# Altium PCB kunkun.PcbDoc (part 3 of 8) (continued)
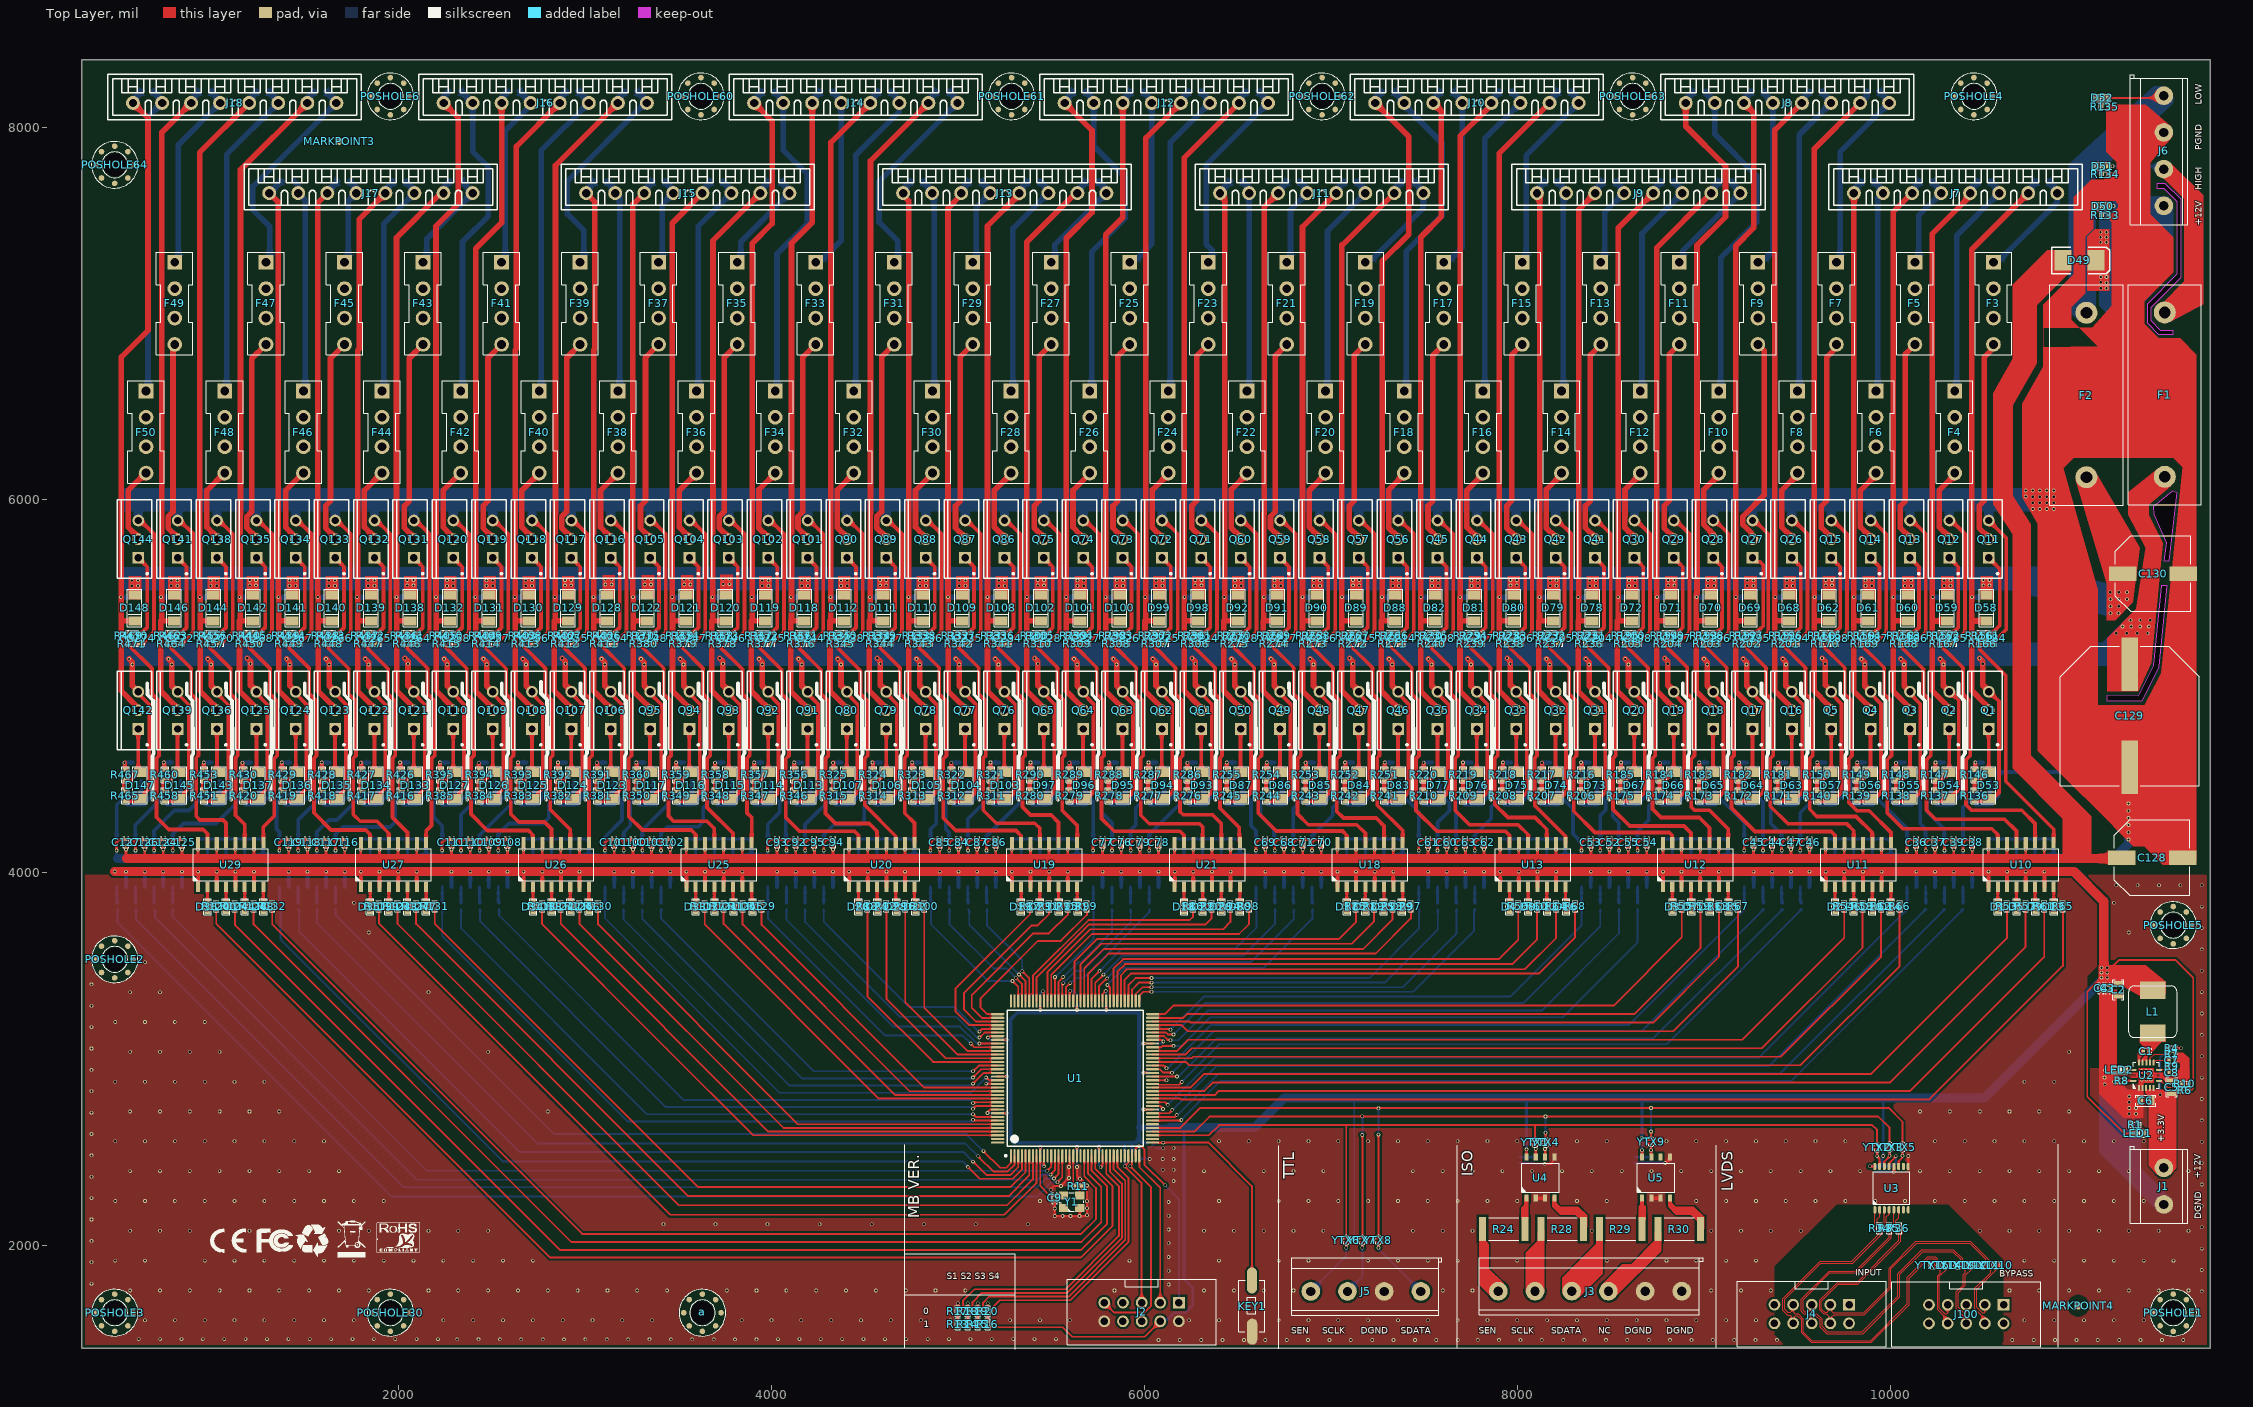
[diagram p0: Top Layer view]
## Nets (pads, with @x,y where several pads share a name; then routed paths per layer and width w, separated by ;. In a path a pad name is that pad's centre, name@x,y a point inside that pad or via, vN(x,y) a via of type N, cw(c..) or ccw(c..) an arc to the next point about the centre after c; other vN are vias at no path point) (continued)
  Top Layer w10: U1.61@6043.84,3025.51 6219.33,3025.51 6252.97,3059.15 9312.13,3059.15 9852.51,3599.54 R58.1@9852.51,3804.1
F8+: R50.1 U1.58 | length 3525.6
  Top Layer w10: U1.58@6043.84,2966.46 6104.05,2966.46 v1(6118.22,2952.28)
  Bottom Layer w10: v1@6127.63,2953.95 6358.45,3184.77 8599.8,3184.77 R50.1@9220.32,3805.3
F8-: R54.1 U1.62 | length 4113.7
  Top Layer w10: U1.62@6043.84,3045.2 6175.13,3045.2 6234.86,3104.92 9207.38,3104.92 9753.51,3651.05 R54.1@9753.51,3804.1
F9+: R39.1 U1.63 | length 3011
  Top Layer w10: U1.63@6043.84,3064.88 6090.2,3064.88 6097.17,3071.85 v1@6155.07,3071.85
  Bottom Layer w10: v1(6156.05,3071.85) 6199.83,3071.85 6353.45,3225.47 8242.83,3225.47 8645.26,3627.9 R39.1@8645.26,3805.3
F9-: R67.1 U1.69 | length 3603.3
  Top Layer w10: U1.69@6043.84,3182.99 6200.29,3182.99 6232.6,3150.68 8836.23,3150.68 9184.14,3498.59 R67.1@9184.14,3804.1
F10+: R43.1 U1.66 | length 2878
  Top Layer w10: U1.66@6043.84,3123.94 6105.27,3123.94 6124.92,3104.28 6137.95,3104.28 v1@6139.76,3102.47
  Bottom Layer w10: v1(6139.76,3102.3) 6181.73,3102.3 6341.57,3262.14 8132.76,3262.14 8545.26,3674.64 R43.1@8545.26,3805.3
F10-: R63.1 U1.70 | length 3441.2
  Top Layer w10: U1.70@6043.84,3202.68 6242.15,3202.68 6248.38,3196.44 8728.41,3196.44 9081.89,3549.93 R63.1@9081.89,3804.1
F11+: R47.1 U1.67 | length 2738.4
  Top Layer w10: U1.67@6043.84,3143.62 6116.26,3143.62 6127.14,3132.74 v1(6156.05,3132.74)
  Bottom Layer w10: v1(6156.05,3132.74) 6325.34,3302.04 8033.96,3302.04 8445.26,3713.33 R47.1@8445.26,3805.3
F11-: R59.1 U1.71 | length 3300.6
  Top Layer w10: U1.71@6043.84,3222.36 6208.8,3222.36 6228.65,3242.2 8627.56,3242.2 8981.89,3596.54 R59.1@8981.89,3804.1
F12+: R51.1 U1.68 | length 2621.8
  Top Layer w10: U1.68@6043.84,3163.31 6134.65,3163.31 v1(6139.76,3158.19)
  Bottom Layer w10: v1(6139.76,3158.19) 6317.53,3335.96 7961.66,3335.96 8345.26,3719.56 R51.1@8345.26,3805.3
F12-: R55.1 U1.72 | length 3159.1
  Top Layer w10: U1.72@6043.84,3242.05 6109.04,3242.05 6154.96,3287.97 8516.43,3287.97 8881.89,3653.44 R55.1@8881.89,3804.1
F13+: R40.1 U1.73 | length 2086.9
  Top Layer w10: U1.73@5972.98,3312.91 5972.98,3341.95 5977.47,3346.44 5978.48,3346.44 5994,3361.96 v1(6038.42,3361.96)
  Bottom Layer w10: v1(6038.42,3361.96) 7441.87,3361.96 7768.44,3688.53 7768.44,3800.3 R40.1@7773.44,3805.3
F13-: R68.1 U1.77 | length 2773.8
  Top Layer w10: U1.77@5894.24,3312.91 5894.24,3426.19 5927.73,3459.68 8116.12,3459.68 8310.12,3653.68 R68.1@8310.12,3804.1
F14+: R44.1 U1.74 | length 2023.3
  Top Layer w10: U1.74@5953.29,3312.91 5953.29,3350.13 5989.81,3386.64 v1(6038.42,3386.64)
  Bottom Layer w10: v1(6038.42,3386.64) 7386.9,3386.64 7673.44,3673.19 R44.1@7673.44,3805.3
F14-: R64.1 U1.78 | length 2707.6
  Top Layer w10: U1.78@5874.55,3312.91 5874.55,3450.61 5906.47,3482.53 8040.07,3482.53 8208.12,3650.58 R64.1@8208.12,3804.1
F15+: R48.1 U1.75 | length 1943.6
  Top Layer w10: U1.75@5933.61,3312.91 5933.61,3373.92 5971.02,3411.33 v1(6038.42,3411.33)
  Bottom Layer w10: v1(6038.42,3411.33) 7288.79,3411.33 7573.44,3695.99 R48.1@7573.44,3805.3
F15-: R60.1 U1.79 | length 2640.2
  Top Layer w10: U1.79@5854.87,3312.91 5854.87,3469.14 5896.4,3510.67 7972.56,3510.67 8106.79,3644.9 R60.1@8106.79,3804.1
F16+: R52.1 U1.76 | length 1873.6
  Top Layer w10: U1.76@5913.92,3312.91 5913.92,3397.41 5952.53,3436.01 v1(6038.42,3436.01)
  Bottom Layer w10: v1(6038.42,3436.01) 7207.59,3436.01 7473.44,3701.87 R52.1@7473.44,3805.3
F16-: R56.1 U1.80 | length 2570.6
  Top Layer w10: U1.80@5835.18,3312.91 5835.18,3487.04 5885.52,3537.38 7900.99,3537.38 8005.12,3641.51 R56.1@8005.12,3804.1
F17+: R69.1 U1.81 | length 1390.4
  Top Layer w10: v1(5801.48,3398.59) 5815.5,3384.57 U1.81@5815.5,3312.91
  Bottom Layer w10: v1(5801.48,3398.59) 5892.39,3489.49 6637.82,3489.49 6901.29,3752.97 R69.1@6901.29,3805.3
F17-: R97.1 U1.87 | length 2048.1
  Top Layer w10: U1.87@5697.39,3312.91 5697.39,3456.83 5807.97,3567.41 7241.01,3567.41 7429.43,3755.83 R97.1@7429.43,3804.1
F18+: R73.1 U1.84 | length 1324.3
  Top Layer w10: U1.84@5756.44,3312.91 5756.44,3391.05 v1@5798.98,3433.59
  Bottom Layer w10: v1(5800.74,3434.01) 5887.96,3521.24 6571.32,3521.24 6801.29,3751.21 R73.1@6801.29,3805.3
F18-: R93.1 U1.88 | length 1990.8
  Top Layer w10: U1.88@5677.7,3312.91 5677.7,3487.09 5782.18,3591.57 7172.89,3591.57 7331.43,3750.1 R93.1@7331.43,3804.1
F19+: R77.1 U1.85 | length 1272.5
  Top Layer w10: U1.85@5736.76,3312.91 5736.76,3409.47 v1@5781.51,3454.22
  Bottom Layer w10: v1(5780.38,3454.01) 5882.38,3556.01 6530.99,3556.01 6701.29,3726.31 R77.1@6701.29,3805.3
F19-: R89.1 U1.89 | length 1931.2
  Top Layer w10: U1.89@5658.02,3312.91 5658.02,3509.81 5767.8,3619.59 7112.76,3619.59 7232.43,3739.26 R89.1@7232.43,3804.1
F20+: R81.1 U1.86 | length 1215.6
  Top Layer w10: U1.86@5717.07,3312.91 5717.07,3431.05 v1(5760.03,3474.01)
  Bottom Layer w10: v1(5760.03,3474.01) 5881.14,3595.11 6490.58,3595.11 6601.29,3705.83 R81.1@6601.29,3805.3
F20-: R85.1 U1.91 | length 1879.7
  Top Layer w10: U1.91@5618.65,3312.91 5618.99,3313.26 5618.99,3348.69 5625.74,3355.44 5625.74,3524.82 5746.63,3645.71 7045.06,3645.71 7134.43,3735.08 R85.1@7134.43,3804.1
F21+: R70.1 U1.93 | length 702.7
  Top Layer w10: U1.93@5579.28,3312.91 5579.28,3385.3 v1(5602.53,3408.55)
  Bottom Layer w10: v1(5602.53,3408.55) 5631.03,3437.04 5673.82,3437.04 6026.59,3789.81 R70.1@6026.59,3805.3
F21-: R98.1 U1.97 | length 1392.9
  Top Layer w10: U1.97@5500.54,3312.91 5500.54,3454.26 5718.16,3671.87 6507.48,3671.87 6561.08,3725.47 R98.1@6561.08,3804.1
F22+: R74.1 U1.94 | length 672.4
  Top Layer w10: U1.94@5559.59,3312.91 5559.59,3403.46 v1(5564.68,3408.55)
  Bottom Layer w10: v1(5564.68,3408.55) 5629.21,3473.08 5664.94,3473.08 5926.59,3734.73 R74.1@5926.59,3805.3 R74.1@5921.59,3800.3
F22-: R94.1 U1.98 | length 1314.3
  Top Layer w10: U1.98@5480.85,3312.91 5480.85,3468.44 5709.97,3697.56 6421.95,3697.56 6461.08,3736.69 R94.1@6461.08,3804.1
F23+: R78.1 U1.95 | length 621.2
  Top Layer w10: U1.95@5539.91,3312.91 5539.91,3416.12 v1(5564.68,3440.89)
  Bottom Layer w10: v1(5564.68,3440.89) 5644.16,3520.37 5661.26,3520.37 5826.59,3685.69 5826.59,3702.8 R78.1@5826.59,3805.3
F23-: R90.1 U1.101 | length 1245.6
  Top Layer w10: U1.101@5421.8,3312.91 5421.8,3440.71 5704.33,3723.25 6328.28,3723.25 6360.82,3755.78 R90.1@6360.82,3804.1
F24+: R82.1 U1.96 | length 578.3
  Top Layer w10: U1.96@5520.22,3312.91 5520.22,3435.1 v1@5520.99,3435.86
  Bottom Layer w10: v1@5520.99,3435.86 5520.99,3439.81 5727.56,3646.39 R82.1@5727.56,3805.3
  other v1: 5520.99,3440.89
F24-: R86.1 U1.102 | length 1164.6
  Top Layer w10: U1.102@5402.11,3312.91 5402.11,3448.38 5700.73,3747 6242.86,3747 6261.08,3765.23 R86.1@6261.08,3804.1
F25+: R71.1 U1.103 | length 586.4
  Top Layer w10: v1(5344.82,3472.52) 5382.43,3434.92 U1.103@5382.43,3312.91
  Bottom Layer w10: R71.1@5155.57,3805.3 5155.57,3720.01 5344.82,3530.75 v1(5344.82,3472.52)
F25-: R99.1 U1.109 | length 941.1
  Top Layer w10: U1.109@5213.14,3242.05 5157.07,3242.05 5121.55,3277.57 5121.55,3327.06 5429.34,3634.85 5552.58,3634.85 5691.52,3773.79 R99.1@5691.52,3804.1
F26+: R75.1 U1.104 | length 619.6
  Top Layer w10: v1(5327.37,3455.07) 5362.74,3419.69 U1.104@5362.74,3312.91
  Bottom Layer w10: R75.1@5055.57,3805.3 5060.57,3800.3 5060.57,3721.87 v1(5327.37,3455.07)
F26-: R95.1 U1.110 | length 951.4
  Top Layer w10: U1.110@5213.14,3222.36 5128.63,3222.36 5073.83,3277.16 5073.83,3344.05 5404.69,3674.91 5488.04,3674.91 5589.52,3776.39 R95.1@5589.52,3804.1
F27+: R79.1 U1.105 | length 693.5
  Top Layer w10: v1(5309.91,3437.61) 5343.06,3404.47 U1.105@5343.06,3312.91
  Bottom Layer w10: R79.1@4955.57,3805.3 4955.57,3722.71 5190.67,3487.61 5259.91,3487.61 v1(5309.91,3437.61)
F27-: R91.1 U1.111 | length 953.2
  Top Layer w10: U1.111@5213.14,3202.68 5096.56,3202.68 5031.69,3267.55 5031.69,3355.06 5394.82,3718.19 5427.49,3718.19 5488.52,3779.22 R91.1@5488.52,3804.1
F28+: R83.1 U1.106 | length 763.8
  Top Layer w10: v1(5292.46,3420.16) 5323.37,3389.24 U1.106@5323.37,3312.91
  Bottom Layer w10: R83.1@4855.57,3805.3 4855.57,3724.57 5159.98,3420.16 v1(5292.46,3420.16)
F28-: R87.1 U1.112 | length 969.7
  Top Layer w10: U1.112@5213.14,3182.99 5060.87,3182.99 4986.73,3257.13 4986.73,3378.83 5386.52,3778.62 R87.1@5386.52,3804.1
F29+: R72.1 U1.113 | length 1250.4
  Top Layer w10: v1(5115,3148.24) 5130.07,3163.31 U1.113@5213.14,3163.31
  Bottom Layer w10: R72.1@4280.44,3805.3 4280.44,3738.28 4737.38,3281.34 4978.95,3281.34 5112.06,3148.24 v1(5115,3148.24)
F29-: R100.1 U1.119 | length 1017.1
  Top Layer w10: R100.1@4819.33,3804.1 4819.33,3276.62 5050.75,3045.2 U1.119@5213.14,3045.2
F30+: R76.1 U1.114 | length 1364.2
  Top Layer w10: v1@5119.17,3119.64 5143.15,3143.62 U1.114@5213.14,3143.62
  Bottom Layer w10: R76.1@4180.44,3805.3 4180.44,3736.23 4688.26,3228.41 4991.01,3228.41 5102.85,3116.57 v1(5115,3116.57)
F30-: R96.1 U1.120 | length 1109.8
  Top Layer w10: R96.1@4717.66,3804.1 4717.66,3305.88 4998.03,3025.51 U1.120@5213.14,3025.51
F31+: R80.1 U1.117 | length 1459.4
  Top Layer w10: v1@5119.63,3084.89 5119.96,3084.57 U1.117@5213.14,3084.57
  Bottom Layer w10: R80.1@4080.44,3805.3 4080.44,3749.22 4654.19,3175.47 5010.84,3175.47 5101.43,3084.89 v1(5115,3084.89)
F31-: R92.1 U1.121 | length 1209.3
  Top Layer w10: R92.1@4616,3804.1 4616,3323.58 4933.76,3005.83 U1.121@5213.14,3005.83
F32+: R84.1 U1.118 | length 1568.1
  Top Layer w10: v1(5068.21,3084.89) 5088.22,3064.88 U1.118@5213.14,3064.88
  Bottom Layer w10: R84.1@3980.44,3805.3 3980.44,3756.24 4609.24,3127.44 5025.66,3127.44 v1(5068.21,3084.89)
F32-: R88.1 U1.122 | length 1310.5
  Top Layer w10: R88.1@4514.33,3804.1 4514.33,3338.21 4866.4,2986.14 U1.122@5213.14,2986.14
F33+: R101.1 U1.123 | length 2209.7
  Top Layer w10: v1(5081.2,2936.06) 5111.6,2966.46 U1.123@5213.14,2966.46
  Bottom Layer w10: R101.1@3406.98,3800.34 3406.98,3756.05 4226.97,2936.06 v1(5081.2,2936.06) ; R101.1@3406.98,3805.3 R101.1@3411.94,3800.34
F33-: R129.1 U1.129 | length 1711.1
  Top Layer w10: R129.1@3946.67,3804.1 3946.67,3720.84 4819.17,2848.34 U1.129@5213.14,2848.34
F34+: R105.1 U1.124 | length 2333
  Top Layer w10: v1@5081.2,2903.23 5081.6,2903.23 5125.14,2946.77 U1.124@5213.14,2946.77
  Bottom Layer w10: R105.1@3306.98,3805.3 3306.98,3752.8 4162.21,2897.58 5076.23,2897.58 v1(5081.2,2902.55)
F34-: R125.1 U1.130 | length 1819.2
  Top Layer w10: R125.1@3845.01,3804.1 3845.01,3723.79 4740.14,2828.66 U1.130@5213.14,2828.66
F35+: R109.1 U1.125 | length 2460.1
  Top Layer w10: v1@5080.9,2869.04 5080.9,2870.47 5137.52,2927.09 U1.125@5213.14,2927.09
  Bottom Layer w10: R109.1@3206.98,3805.3 3206.98,3749.71 4097.6,2859.09 5070.8,2859.09 v1(5081.2,2869.49)
F35-: R121.1 U1.131 | length 1927.5
  Top Layer w10: R121.1@3743.34,3804.1 3743.34,3726.45 4660.82,2808.97 U1.131@5213.14,2808.97
F36+: R113.1 U1.127 | length 2583
  Top Layer w10: v1@5151.08,2903.23 5166.59,2887.71 U1.127@5213.14,2887.71
  Bottom Layer w10: R113.1@3106.98,3805.3 3106.98,3756.53 4042.89,2820.61 5069.14,2820.61 v1(5151.08,2902.55)
F36-: R117.1 U1.132 | length 2039.2
  Top Layer w10: R117.1@3641.67,3804.1 3641.67,3723.29 4575.67,2789.29 U1.132@5213.14,2789.29
F37+: R102.1 U1.133 | length 3127
  Top Layer w10: v1(5081.2,2764.51) 5086.29,2769.6 U1.133@5213.14,2769.6
  Bottom Layer w10: R102.1@2538.9,3805.3 2538.9,3771.13 3527.9,2782.13 5064.7,2782.13 ; 5064.7,2781.01 v1(5081.2,2764.51)
F37-: R130.1 U1.139 | length 2668.1
  Top Layer w10: R130.1@3069.59,3804.1 3069.59,3723.67 4141.77,2651.49 U1.139@5213.14,2651.49
F38+: R106.1 U1.134 | length 3260
  Top Layer w10: v1(5081.2,2735.06) 5096.06,2749.92 U1.134@5213.14,2749.92
  Bottom Layer w10: R106.1@2437.23,3805.3 2437.23,3740.15 3433.74,2743.64 v1@5081.2,2743.64
F38-: R126.1 U1.140 | length 2774.5
  Top Layer w10: R126.1@2969.59,3804.1 2969.59,3726.63 3030.51,3665.71 4064.41,2631.81 U1.140@5213.14,2631.81
F39+: R110.1 U1.137 | length 3400.2
  Top Layer w10: v1(5081.2,2705.62) 5095.95,2690.86 U1.137@5213.14,2690.86
  Bottom Layer w10: R110.1@2335.57,3805.3 2335.57,3701.39 3331.8,2705.16 v1@5081.2,2705.16
F39-: R122.1 U1.141 | length 2883
  Top Layer w10: R122.1@2869.59,3804.1 2869.59,3726.02 3983.49,2612.12 U1.141@5213.14,2612.12
F40+: R114.1 U1.138 | length 3542.5
  Top Layer w10: v1(5081.2,2676.17) 5086.19,2671.18 U1.138@5213.14,2671.18
  Bottom Layer w10: R114.1@2233.9,3805.3 2233.9,3659.08 3226.3,2666.68 5069.7,2666.68 5079.19,2676.17 v1(5081.2,2676.17)
F40-: R118.1 U1.142 | length 2992.2
  Top Layer w10: R118.1@2769.59,3804.1 2769.59,3724.23 3436.08,3057.74 3901.38,2592.44 U1.142@5213.14,2592.44
F41+: R103.1 U1.1 | length 4264.8
  Top Layer w10: v1(5136.7,2507.59) 5226.31,2417.98 5258.2,2417.98 5284,2443.79 U1.1@5284,2482.2
  Bottom Layer w10: R103.1@1662.29,3805.3 1662.29,3772.28 2835.47,2599.1 5045.19,2599.1 v1(5136.7,2507.59)
F41-: R131.1 U1.5 | length 3979.8
  Top Layer w10: R131.1@2194.03,3804.1 2194.03,3727.11 3605.64,2315.5 5283.27,2315.5 5362.4,2394.62 5362.4,2481.86 U1.5@5362.74,2482.2 ; U1.5@5363.09,2483.39 U1.5@5363.09,2512.61
F42+: R107.1 U1.2 | length 4424.8
  Top Layer w10: v1@5112.6,2475.03 5189.34,2398.29 5267.03,2398.29 5303.69,2434.95 U1.2@5303.69,2482.2
  Bottom Layer w10: R107.1@1562.29,3805.3 1562.29,3730.72 2745.2,2547.8 5040.54,2547.8 v1(5108.93,2479.41)
F42-: R127.1 U1.6 | length 4121.7
  Top Layer w10: R127.1@2094.03,3804.1 2094.03,3726.4 3554.13,2266.29 5271.27,2266.29 5382.43,2377.45 U1.6@5382.43,2482.2
F43+: R111.1 U1.3 | length 4598.6
  Top Layer w10: v1(5081.16,2451.22) 5153.78,2378.61 5279.83,2378.61 5323.37,2422.16 U1.3@5323.37,2482.2
  Bottom Layer w10: R111.1@1462.29,3805.3 1467.29,3800.3 1467.29,3683.46 2647.36,2503.38 5029,2503.38 v1(5081.16,2451.22)
F43-: R123.1 U1.7 | length 4294.8
  Top Layer w10: R123.1@1994.03,3804.1 1994.03,3726.3 3503.33,2217 5263.05,2217 5402.11,2356.06 U1.7@5402.11,2482.2
F44+: R115.1 U1.4 | length 4767.3
  Top Layer w10: v1(5053.4,2423.04) 5117.51,2358.92 5294.11,2358.92 5343.06,2407.87 U1.4@5343.06,2482.2
  Bottom Layer w10: R115.1@1362.29,3805.3 1367.29,3800.3 1367.29,3641.89 2557.31,2451.86 5024.57,2451.86 v1(5053.4,2423.04)
F44-: R119.1 U1.8 | length 4465.3
  Top Layer w10: R119.1@1894.03,3804.1 1894.03,3728.93 3457.03,2165.93 5248.88,2165.93 5421.8,2338.85 U1.8@5421.8,2482.2
F45+: R104.1 U1.12 | length 5386.1
  Top Layer w10: v1(5478.63,2401.84) 5500.54,2423.74 U1.12@5500.54,2482.2
  Bottom Layer w10: R104.1@787.5,3805.3 787.5,3763.93 2149.59,2401.84 v1(5478.63,2401.84)
F45-: R132.1 U1.21 | length 5584.4
  Top Layer w10: R132.1@1322.07,3804.1 1322.07,3725.16 2984.06,2063.17 5661.13,2063.17 5740.53,2142.57 5740.53,2309.32 5677.7,2372.15 U1.21@5677.7,2482.2
F46+: R108.1 U1.13 | length 5555.7
  Top Layer w10: v1(5497.07,2381.38) 5520.22,2404.53 U1.13@5520.22,2482.2
  Bottom Layer w10: R108.1@689.16,3805.3 694.16,3800.3 694.16,3758.05 2098.33,2353.88 5426.93,2353.88 5454.43,2381.38 v1(5497.07,2381.38)
F46-: R128.1 U1.22 | length 5761.8
  Top Layer w10: R128.1@1222.07,3804.1 1222.07,3723.86 2925.9,2020.02 5661.99,2020.02 5768.68,2126.71 5768.68,2317.38 5697.39,2388.67 U1.22@5697.39,2482.2
F47+: R112.1 U1.14 | length 5725.8
  Top Layer w10: v1(5515.52,2360.93) 5539.91,2385.32 U1.14@5539.91,2482.2
  Bottom Layer w10: R112.1@590.83,3805.3 590.83,3749.89 2026.86,2313.85 5424.1,2313.85 5471.18,2360.93 v1(5515.52,2360.93)
F47-: a.@3629.46,1640.57 R124.1 U1.23 | length 5940.2
  Top Layer w10: R124.1@1122.07,3804.1 1122.07,3720.95 2866.15,1976.87 5658.65,1976.87 5799.83,2118.06 5799.83,2319.31 5717.07,2402.07 U1.23@5717.07,2482.2
F48+: R116.1 U1.15 | length 5902.8
  Top Layer w10: v1@5535.68,2343.18 5559.59,2367.09 U1.15@5559.59,2482.2
  Bottom Layer w10: R116.1@492.5,3805.3 492.5,3733.31 1961.99,2263.81 5424.59,2263.81 5501.27,2340.48 v1(5533.96,2340.48)
F48-: R120.1 U1.24 | length 6110.8
  Top Layer w10: R120.1@1022.07,3804.1 1022.07,3726.83 2812.9,1936 5657.62,1936 5829.95,2108.32 5829.95,2319.74 5736.76,2412.93 U1.24@5736.76,2482.2
NetC1_1: C1.1 U2.13
NetC1_2: C1.2 L1.1 U2.11 U2.12
NetC7_2: C7.2 U2.9 | length 86.7
  Top Layer w5: U2.9@11413.33,2982.05 11425.36,2994.08 C7.2@11495.08,2994.08
NetC8_2: C8.2 R9.1 | length 45.6
  Top Layer w5: C8.2@11495.08,2928.9 11526.58,2960.4 R9.1@11526.58,2961.49
NetC184_2: C184.2 Q11.1 R156.2 R161.2 | length 512
  Top Layer w10: C184.2@10546.67,5288.41 C184.2@10548.64,5286.45
  Top Layer w20: R156.2@10481.76,5288.41 10512.89,5288.41 C184.2@10546.67,5288.41 ; Q11.1@10528.84,5689.64 10588.34,5630.14 10588.34,5326.15 C184.2@10548.64,5286.45
NetC185_2: C185.2 Q12.1 R157.2 R162.2 | length 504.6
  Top Layer w20: R157.2@10270.51,5288.41 10301.61,5288.41 10335.39,5288.41 C185.2@10337.36,5286.45 10341.3,5286.45 10343.11,5288.26 10343.11,5292.19 10365.5,5314.58 10365.5,5641.81 Q12.1@10317.67,5689.64
NetC186_2: C186.2 Q13.1 R158.2 R163.2 | length 491.4
  Top Layer w20: R158.2@10059.02,5288.41 C186.2@10123.9,5288.41 ; Q13.1@10106.5,5689.64 10154.33,5641.81 10154.33,5314.58 C186.2@10131.94,5292.19
NetC187_2: C187.2 Q14.1 R159.2 R164.2 | length 491.4
  Top Layer w20: R159.2@9847.68,5288.41 C187.2@9912.57,5288.41 ; Q14.1@9895.33,5689.64 9943.16,5641.81 9943.16,5314.58 C187.2@9920.77,5292.19
NetC188_2: C188.2 Q15.1 R160.2 R165.2 | length 491.4
  Top Layer w20: R160.2@9636.35,5288.41 C188.2@9701.24,5288.41 ; Q15.1@9684.16,5689.64 9731.99,5641.81 9731.99,5314.58 C188.2@9709.6,5292.19
NetC194_2: C194.2 Q26.1 R191.2 R196.2 | length 491.4
  Top Layer w20: R191.2@9425.02,5288.41 C194.2@9489.91,5288.41 ; Q26.1@9472.99,5689.64 9520.82,5641.81 9520.82,5314.58 C194.2@9498.43,5292.19
NetC195_2: C195.2 Q27.1 R192.2 R197.2 | length 514.4
  Top Layer w20: R192.2@9213.69,5288.41 9245.2,5288.41 C195.2@9278.58,5288.41 ; Q27.1@9261.82,5689.64 9283.32,5668.14 9301.76,5668.14 9319.33,5650.57 9319.33,5324.27 9292.92,5297.85 9292.92,5294.45 C195.2@9286.73,5288.26
NetC196_2: C196.2 Q28.1 R193.2 R198.2 | length 491.4
  Top Layer w20: R193.2@9002.36,5288.41 C196.2@9067.25,5288.41 ; Q28.1@9050.65,5689.64 9098.48,5641.81 9098.48,5314.58 C196.2@9076.09,5292.19
NetC197_2: C197.2 Q29.1 R194.2 R199.2 | length 491.4
  Top Layer w20: R194.2@8791.03,5288.41 C197.2@8855.92,5288.41 ; Q29.1@8839.48,5689.64 8887.31,5641.81 8887.31,5314.58 C197.2@8864.92,5292.19
NetC198_2: C198.2 Q30.1 R195.2 R200.2 | length 491.4
  Top Layer w20: R195.2@8579.7,5288.41 C198.2@8644.59,5288.41 ; Q30.1@8628.31,5689.64 8676.14,5641.81 8676.14,5314.58 C198.2@8653.75,5292.19
NetC204_2: C204.2 Q41.1 R226.2 R231.2 | length 491.4
  Top Layer w20: R226.2@8368.37,5288.41 C204.2@8433.26,5288.41 ; Q41.1@8417.14,5689.64 8464.97,5641.81 8464.97,5314.58 C204.2@8442.58,5292.19
NetC205_2: C205.2 Q42.1 R227.2 R232.2 | length 491.4
  Top Layer w20: R227.2@8157.04,5288.41 C205.2@8221.92,5288.41 ; Q42.1@8205.97,5689.64 8253.8,5641.81 8253.8,5314.58 C205.2@8231.41,5292.19
NetC206_2: C206.2 Q43.1 R228.2 R233.2 | length 491.4
  Top Layer w20: R228.2@7945.71,5288.41 C206.2@8010.59,5288.41 ; Q43.1@7994.8,5689.64 8042.63,5641.81 8042.63,5314.58 C206.2@8020.24,5292.19
NetC207_2: C207.2 Q44.1 R229.2 R234.2 | length 491.4
  Top Layer w20: R229.2@7734.37,5288.41 C207.2@7799.26,5288.41 ; Q44.1@7783.63,5689.64 7831.46,5641.81 7831.46,5314.58 C207.2@7809.07,5292.19
NetC208_2: C208.2 Q45.1 R230.2 R235.2 | length 491.4
  Top Layer w20: R230.2@7523.04,5288.41 C208.2@7587.93,5288.41 ; Q45.1@7572.46,5689.64 7620.29,5641.81 7620.29,5314.58 C208.2@7597.9,5292.19
NetC214_2: C214.2 Q56.1 R261.2 R266.2 | length 491.4
  Top Layer w20: R261.2@7311.71,5288.41 C214.2@7376.6,5288.41 ; Q56.1@7361.29,5689.64 7409.12,5641.81 7409.12,5314.58 C214.2@7386.73,5292.19
NetC215_2: C215.2 Q57.1 R262.2 R267.2 | length 491.4
  Top Layer w20: R262.2@7100.38,5288.41 C215.2@7165.27,5288.41 ; Q57.1@7150.12,5689.64 7197.95,5641.81 7197.95,5314.58 C215.2@7175.56,5292.19
NetC216_2: C216.2 Q58.1 R263.2 R268.2 | length 491.4
  Top Layer w20: R263.2@6889.05,5288.41 C216.2@6953.94,5288.41 ; Q58.1@6938.95,5689.64 6986.78,5641.81 6986.78,5314.58 C216.2@6964.39,5292.19
NetC217_2: C217.2 Q59.1 R264.2 R269.2 | length 491.4
  Top Layer w20: R264.2@6677.72,5288.41 C217.2@6742.61,5288.41 ; Q59.1@6727.78,5689.64 6775.6,5641.81 6775.6,5314.58 C217.2@6753.22,5292.19
NetC218_2: C218.2 Q60.1 R265.2 R270.2 | length 491.4
  Top Layer w20: R265.2@6466.39,5288.41 C218.2@6531.28,5288.41 ; Q60.1@6516.61,5689.64 6564.43,5641.81 6564.43,5314.58 C218.2@6542.05,5292.19
NetC224_2: C224.2 Q71.1 R296.2 R301.2 | length 491.4
  Top Layer w20: R296.2@6255.06,5288.41 C224.2@6319.95,5288.41 ; Q71.1@6305.44,5689.64 6353.26,5641.81 6353.26,5314.58 C224.2@6330.88,5292.19
NetC225_2: C225.2 Q72.1 R297.2 R302.2 | length 491.4
  Top Layer w20: R297.2@6043.73,5288.41 C225.2@6108.61,5288.41 ; Q72.1@6094.27,5689.64 6142.09,5641.81 6142.09,5314.58 C225.2@6119.71,5292.19
NetC226_2: C226.2 Q73.1 R298.2 R303.2 | length 491.4
  Top Layer w20: R298.2@5832.4,5288.41 C226.2@5897.28,5288.41 ; Q73.1@5883.1,5689.64 5930.92,5641.81 5930.92,5314.58 C226.2@5908.54,5292.19
NetC227_2: C227.2 Q74.1 R299.2 R304.2 | length 491.4
  Top Layer w20: R299.2@5621.06,5288.41 C227.2@5685.95,5288.41 ; Q74.1@5671.93,5689.64 5719.75,5641.81 5719.75,5314.58 C227.2@5697.37,5292.19
NetC228_2: C228.2 Q75.1 R300.2 R305.2 | length 491.4
  Top Layer w20: R300.2@5409.73,5288.41 C228.2@5474.62,5288.41 ; Q75.1@5460.76,5689.64 5508.58,5641.81 5508.58,5314.58 C228.2@5486.2,5292.19
NetC234_2: C234.2 Q86.1 R331.2 R336.2 | length 491.4
  Top Layer w20: R331.2@5198.4,5288.41 C234.2@5263.29,5288.41 ; Q86.1@5249.59,5689.64 5297.41,5641.81 5297.41,5314.58 C234.2@5275.03,5292.19
NetC235_2: C235.2 Q87.1 R332.2 R337.2 | length 491.4
  Top Layer w20: R332.2@4987.07,5288.41 C235.2@5051.96,5288.41 ; Q87.1@5038.42,5689.64 5086.24,5641.81 5086.24,5314.58 C235.2@5063.86,5292.19
NetC236_2: C236.2 Q88.1 R333.2 R338.2 | length 491.4
  Top Layer w20: R333.2@4775.74,5288.41 C236.2@4840.63,5288.41 ; Q88.1@4827.25,5689.64 4875.07,5641.81 4875.07,5314.58 C236.2@4852.69,5292.19
NetC237_2: C237.2 Q89.1 R334.2 R339.2 | length 491.4
  Top Layer w20: R334.2@4564.41,5288.41 C237.2@4629.3,5288.41 ; Q89.1@4616.08,5689.64 4663.9,5641.81 4663.9,5314.58 C237.2@4641.52,5292.19
NetC238_2: C238.2 Q90.1 R335.2 R340.2 | length 491.4
  Top Layer w20: R335.2@4353.08,5288.41 C238.2@4417.97,5288.41 ; Q90.1@4404.91,5689.64 4452.73,5641.81 4452.73,5314.58 C238.2@4430.35,5292.19
NetC244_2: C244.2 Q101.1 R366.2 R371.2 | length 491.4
  Top Layer w20: R366.2@4141.75,5288.41 C244.2@4206.64,5288.41 ; Q101.1@4193.74,5689.64 4241.56,5641.81 4241.56,5314.58 C244.2@4219.18,5292.19
NetC245_2: C245.2 Q102.1 R367.2 R372.2 | length 491.4
  Top Layer w20: R367.2@3930.42,5288.41 C245.2@3995.3,5288.41 ; Q102.1@3982.57,5689.64 4030.39,5641.81 4030.39,5314.58 C245.2@4008.01,5292.19
NetC246_2: C246.2 Q103.1 R368.2 R373.2 | length 491.4
  Top Layer w20: R368.2@3719.09,5288.41 C246.2@3783.97,5288.41 ; Q103.1@3771.4,5689.64 3819.22,5641.81 3819.22,5314.58 C246.2@3796.84,5292.19
NetC247_2: C247.2 Q104.1 R369.2 R374.2 | length 491.4
  Top Layer w20: R369.2@3507.75,5288.41 C247.2@3572.64,5288.41 ; Q104.1@3560.23,5689.64 3608.05,5641.81 3608.05,5314.58 C247.2@3585.67,5292.19
NetC248_2: C248.2 Q105.1 R370.2 R375.2 | length 491.4
  Top Layer w20: R370.2@3296.42,5288.41 C248.2@3361.31,5288.41 ; Q105.1@3349.05,5689.64 3396.88,5641.81 3396.88,5314.58 C248.2@3374.49,5292.19
NetC254_2: C254.2 Q116.1 R401.2 R406.2 | length 491.4
  Top Layer w20: R401.2@3085.09,5288.41 C254.2@3149.98,5288.41 ; Q116.1@3137.88,5689.64 3185.71,5641.81 3185.71,5314.58 C254.2@3163.32,5292.19
NetC255_2: C255.2 Q117.1 R402.2 R407.2 | length 491.4
  Top Layer w20: R402.2@2873.76,5288.41 C255.2@2938.65,5288.41 ; Q117.1@2926.71,5689.64 2974.54,5641.81 2974.54,5314.58 C255.2@2952.15,5292.19
NetC256_2: C256.2 Q118.1 R403.2 R408.2 | length 491.4
  Top Layer w20: R403.2@2662.43,5288.41 C256.2@2727.32,5288.41 ; Q118.1@2715.54,5689.64 2763.37,5641.81 2763.37,5314.58 C256.2@2740.98,5292.19
NetC257_2: C257.2 Q119.1 R404.2 R409.2 | length 491.4
  Top Layer w20: R404.2@2451.1,5288.41 C257.2@2515.99,5288.41 ; Q119.1@2504.37,5689.64 2552.2,5641.81 2552.2,5314.58 C257.2@2529.81,5292.19
NetC258_2: C258.2 Q120.1 R405.2 R410.2 | length 491.4
  Top Layer w20: R405.2@2239.77,5288.41 C258.2@2304.66,5288.41 ; Q120.1@2293.2,5689.64 2341.03,5641.81 2341.03,5314.58 C258.2@2318.64,5292.19
NetC264_2: C264.2 Q131.1 R436.2 R441.2 | length 491.4
  Top Layer w20: R436.2@2028.44,5288.41 C264.2@2093.33,5288.41 ; Q131.1@2082.03,5689.64 2129.86,5641.81 2129.86,5314.58 C264.2@2107.47,5292.19
NetC265_2: C265.2 Q132.1 R437.2 R442.2 | length 491.4
  Top Layer w20: R437.2@1817.11,5288.41 C265.2@1881.99,5288.41 ; Q132.1@1870.86,5689.64 1918.69,5641.81 1918.69,5314.58 C265.2@1896.3,5292.19
NetC266_2: C266.2 Q133.1 R438.2 R443.2 | length 491.4
  Top Layer w20: R438.2@1605.78,5288.41 C266.2@1670.66,5288.41 ; Q133.1@1659.69,5689.64 1707.52,5641.81 1707.52,5314.58 C266.2@1685.13,5292.19
NetC267_2: C267.2 Q134.1 R439.2 R444.2 | length 491.4
  Top Layer w20: R439.2@1394.44,5288.41 C267.2@1459.33,5288.41 ; Q134.1@1448.52,5689.64 1496.35,5641.81 1496.35,5314.58 C267.2@1473.96,5292.19
NetC268_2: C268.2 Q135.1 R440.2 R445.2 | length 491.4
  Top Layer w20: R440.2@1183.11,5288.41 C268.2@1248,5288.41 ; Q135.1@1237.35,5689.64 1285.18,5641.81 1285.18,5314.58 C268.2@1262.79,5292.19
NetC270_2: C270.2 Q138.1 R455.2 R456.2 | length 491.4
  Top Layer w20: R455.2@971.78,5288.41 C270.2@1036.67,5288.41 ; Q138.1@1026.18,5689.64 1074.01,5641.81 1074.01,5314.58 C270.2@1051.62,5292.19
NetC272_2: C272.2 Q141.1 R462.2 R463.2 | length 491.4
  Top Layer w20: R462.2@760.45,5288.41 C272.2@825.34,5288.41 ; Q141.1@815.01,5689.64 862.84,5641.81 862.84,5314.58 C272.2@840.45,5292.19
NetC274_2: C274.2 Q144.1 R469.2 R470.2 | length 491.4
  Top Layer w20: R469.2@549.12,5288.41 C274.2@614.01,5288.41 ; Q144.1@603.84,5689.64 651.67,5641.81 651.67,5314.58 C274.2@629.28,5292.19
NetD1_1: D1.1 R53.2 | length 72.3
  Top Layer w15: D1.1@10576.02,3791.44 10579.96,3791.44 10584.27,3795.75 10584.27,3804.91 10613.6,3834.24 10623.31,3834.24 R53.2@10624.67,3835.6
NetD1_2: D1.2 U10.2 | length 77.9
  Top Layer w15: D1.2@10577.22,3846.75 U10.2@10577.22,3924.62
NetD2_1: D2.1 R54.2 | length 72.3
  Top Layer w15: D2.1@9703.06,3791.44 9706.99,3791.44 9711.3,3795.75 9711.3,3804.91 9740.63,3834.24 9750.35,3834.24 R54.2@9751.7,3835.6
NetD2_2: D2.2 U11.2 | length 77.9
  Top Layer w15: D2.2@9704.26,3846.75 U11.2@9704.26,3924.62
NetD3_1: D3.1 R55.2 | length 72.3
  Top Layer w15: D3.1@8830.09,3791.44 8834.03,3791.44 8838.34,3795.75 8838.34,3804.91 8867.67,3834.24 8877.38,3834.24 R55.2@8878.74,3835.6
NetD3_2: D3.2 U12.2 | length 77.9
  Top Layer w15: D3.2@8831.29,3846.75 U12.2@8831.29,3924.62
NetD4_1: D4.1 R56.2 | length 72.3
  Top Layer w15: D4.1@7957.13,3791.44 7961.07,3791.44 7965.38,3795.75 7965.38,3804.91 7994.71,3834.24 8004.42,3834.24 R56.2@8005.78,3835.6
NetD4_2: D4.2 U13.2 | length 77.9
  Top Layer w15: D4.2@7958.33,3846.75 U13.2@7958.33,3924.62
NetD5_1: D5.1 R57.2 | length 72.3
  Top Layer w15: D5.1@10676.02,3791.44 10679.96,3791.44 10684.27,3795.75 10684.27,3804.91 10713.6,3834.24 10723.31,3834.24 R57.2@10724.67,3835.6
NetD5_2: D5.2 U10.4 | length 77.9
  Top Layer w15: D5.2@10677.22,3846.75 U10.4@10677.22,3924.62
NetD6_1: D6.1 R58.2 | length 72.3
  Top Layer w15: D6.1@9803.06,3791.44 9806.99,3791.44 9811.3,3795.75 9811.3,3804.91 9840.63,3834.24 9850.35,3834.24 R58.2@9851.7,3835.6